# Altium PCB Copy of GameBoard_V1I1_083018.PcbDoc (part 13 of 21)
Units mil, origin at the board's own origin, x right, y up, seen from the top; angles counter-clockwise.
Board outline 7165.35 x 2763.78 mil, 12 copper layers (L1, L2, L3, L4, L5 (PWR), L6 (PWR), L7 (PWR), L8 (PWR), L9, L10, L11, L12), stack 61.575 mil thick; 1542 components, 1068 nets, 5447 pads, 3797 vias.
Unrouted connection lines stored in the file: 105.
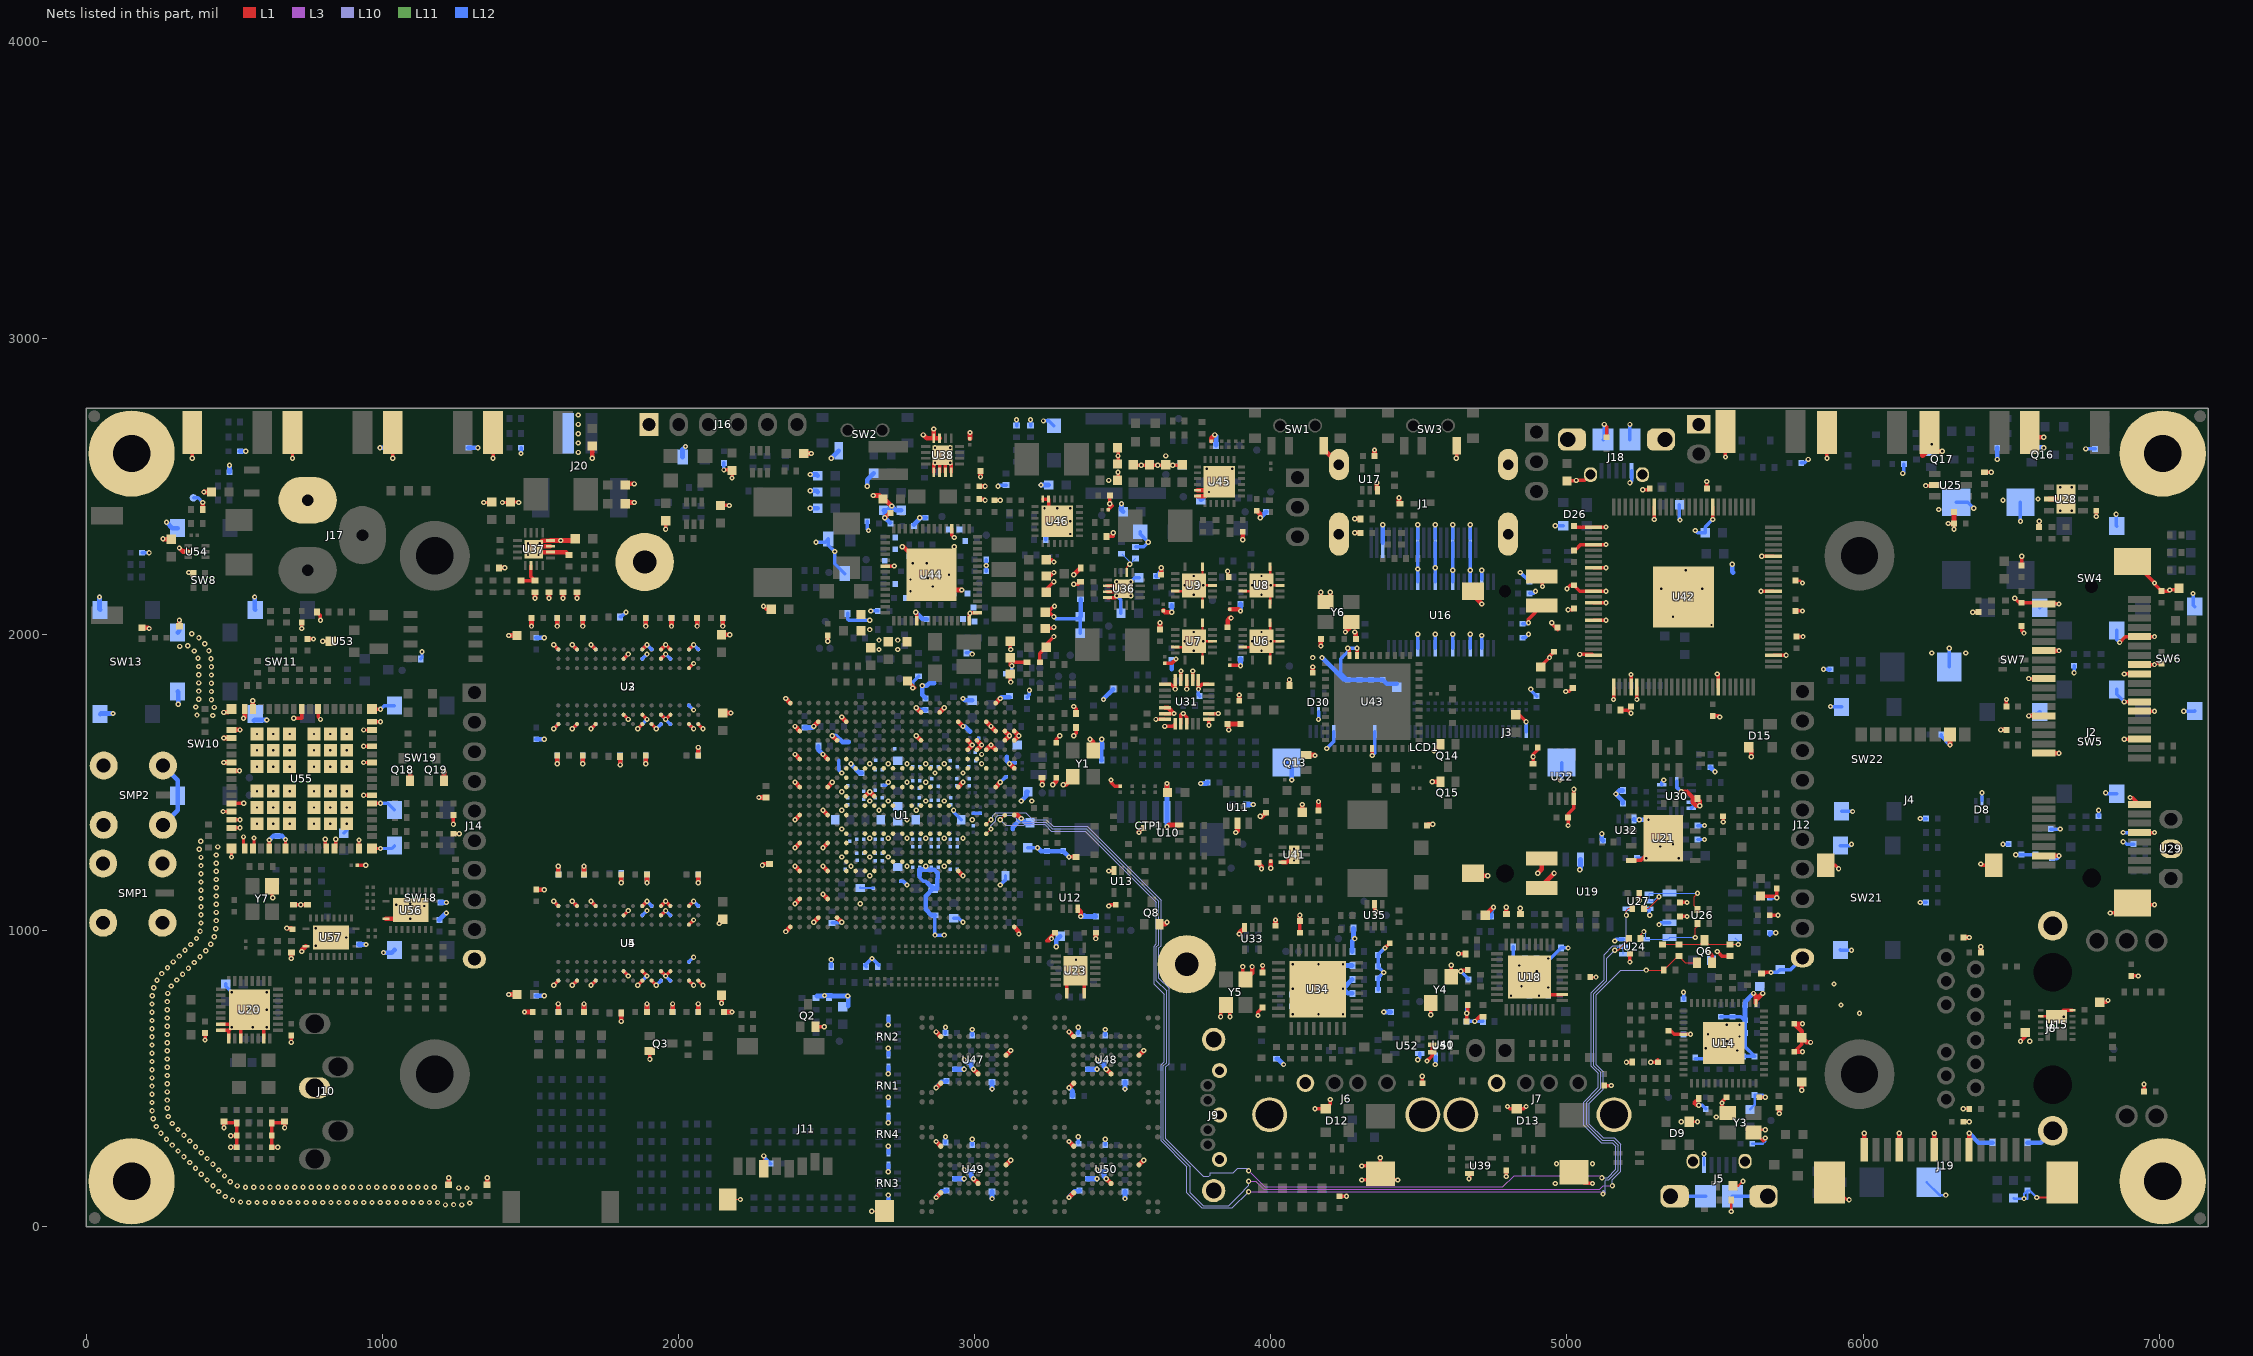
[diagram p23: the nets of this part, all layers, seen from the top]

## Via types
v1: diameter 17.72, hole 7.87, L1 to L12, 1936 vias
v2: diameter 17.72, hole 7.87, L1 to L12, tented both sides, 999 vias
v3: diameter 10.63, hole 3.94, L1 to L2, 337 vias
v4: diameter 10.63, hole 3.94, L2 to L3, 335 vias
v5: diameter 10.63, hole 3.94, L10 to L11, 96 vias
v6: diameter 10.63, hole 3.94, L11 to L12, 94 vias

## Nets (pads, with @x,y where several pads share a name; then routed paths per layer and width w, separated by ;. In a path a pad name is that pad's centre, name@x,y a point inside that pad or via, vN(x,y) a via of type N, cw(c..) or ccw(c..) an arc to the next point about the centre after c; other vN are vias at no path point) (continued)
FLEXCAN1_RX: R250.1 U1.D14 U27.4 | length 4287.8
  L1 w3.94: U1.D14@3039.37,1358.27 v2(3055.12,1374.02) ; v1(5200.79,1051.18) 5200.79,1066.93 5208.66,1074.8 R250.1@5220.47,1074.8
  L3 w3.94: v1(3925.2,188.98) 3980.32,133.86 4783.46,133.86 4821.85,172.24 5111.22,172.24 v1(5118.11,165.35)
  L10 w3.94: v2(3055.12,1374.02) 3062.01,1380.91 3062.01,1388.1 3071.54,1397.64 3173.23,1397.64 3196.85,1374.02 3242.74,1374.02 3265.38,1351.38 3379.71,1351.38 3629.92,1101.17 3629.92,948.82 3622.05,940.94 3622.05,838.58 3656.5,804.13 3656.5,550.35 3645.67,539.53 3645.67,295.95 3772.33,169.29 3790.66,169.29 3795.28,173.9 3795.28,179.97 3796.4,181.1 3873.34,181.1 3889.09,196.85 3917.32,196.85 v1(3925.2,188.98) ; v1(5118.11,165.35) 5137.8,165.35 5165.35,192.91 5165.35,271.65 5153.54,283.46 5115.52,283.46 5056.13,342.86 5056.13,420.58 5106.3,470.75 5106.3,517.1 5082.68,540.72 5082.68,789.99 5125.98,833.29 5125.98,918.52 5155.3,947.83 5184.06,947.83 5200.79,964.57 v1(5200.79,1051.18)
  L12 w3.94: v1(5200.79,1051.18) 5202.76,1053.15 U27.4@5202.76,1072.83
FLEXCAN1_RX_BUFF: R250.2 R251.1 U26.4 U27.1 U27.2 | length 364.6
  L1 w3.94: R250.2@5259.84,1074.8 5275.59,1074.8 5311.02,1110.24 v1(5311.02,1114.17) ; R251.1@5440.94,1070.87 5429.13,1082.68 5429.13,1114.17 v1(5440.94,1125.98)
  L12 w3.94: v1(5311.02,1114.17) 5307.09,1114.17 5291.34,1098.43 U27.2@5277.56,1098.43 U27.1@5277.56,1124.02 5279.72,1126.18 U26.4@5346.46,1126.18 5440.75,1126.18 v1(5440.94,1125.98)
FLEXCAN1_STBY: Q6.1 R65.1 R252.1 U1.D15 | length 4450.5
  L1 w3.94: U1.D15@3039.37,1326.77 v2(3055.12,1342.52) ; v1(5267.72,866.14) R65.1@5326.77,866.14 5374.02,913.39 R252.1@5377.95,913.39 5399.61,891.73 Q6.1@5438.98,891.73
  L3 w3.94: v1(3925.2,153.54) 3949.49,153.54 3977.05,125.98 5110.24,125.98 5122.05,137.8 v1(5153.54,137.8)
  L10 w3.94: v2(3055.12,1342.52) 3055.12,1353.14 3071.85,1369.87 3071.85,1380.13 3080.5,1388.78 3130.91,1388.78 3142.72,1376.97 3142.72,1368.9 3148.42,1363.19 3163.6,1363.19 3166.55,1366.14 3239.48,1366.14 3262.12,1343.5 3376.45,1343.5 3622.05,1097.91 3622.05,952.08 3614.17,944.21 3614.17,830.71 3648.62,796.26 3648.62,553.62 3637.8,542.79 3637.8,292.69 3728.35,202.14 3728.35,114.17 3771.65,70.87 3858.27,70.87 3910.43,123.03 3910.43,124.23 3925.2,138.99 v1(3925.2,153.54) ; v1(5153.54,137.8) 5153.54,158.83 5181.1,186.39 5181.1,278.18 5160.07,299.21 5122.05,299.21 5074.8,346.46 5074.8,416.99 5122.05,464.23 5122.05,523.62 5098.43,547.24 5098.43,783.46 5181.1,866.14 v1(5267.72,866.14)
FLEXCAN1_STBY_Q: Q6.3 R248.1 R252.2 R253.2 U26.8 | length 295.6
  L1 w3.94: R248.1@5322.83,952.76 R252.2@5377.95,952.76 5450.79,952.76 Q6.3@5464.57,966.54 5478.35,952.76 R253.2@5551.18,952.76 v1(5578.74,952.76)
  L12 w3.94: U26.8@5566.93,976.18 5578.74,964.37 v1(5578.74,952.76)
FLEXCAN1_TX: R242.1 U1.B13 U24.1 U24.2 | length 4280.1
  L1 w3.94: v2(3086.62,1374.02) U1.B13@3102.36,1389.76 ; v1(5161.42,933.07) 5173.23,933.07 R242.1@5212.6,972.44
  L3 w3.94: v1(3925.2,118.11) 5114.17,118.11 v1(5122.05,110.24)
  L10 w3.94: v2(3086.62,1374.02) 3095.75,1364.88 3095.88,1364.88 3105.44,1355.32 3166.86,1355.32 3169.81,1358.27 3236.22,1358.27 3258.86,1335.63 3373.19,1335.63 3614.17,1094.65 3614.17,955.34 3606.3,947.47 3606.3,818.9 3640.75,784.45 3640.75,556.88 3629.92,546.05 3629.92,289.43 3716.54,202.81 3716.54,114.17 3767.72,62.99 3870.08,62.99 v1(3925.2,118.11) ; v1(5122.05,110.24) 5122.05,122.05 v1@5128.94,115.16 ; v1(5161.42,933.07) 5133.86,905.51 5133.86,830.03 5090.55,786.73 5090.55,543.98 5114.17,520.36 5114.17,467.49 5066.93,420.25 5066.93,343.2 5118.79,291.34 5156.8,291.34 5173.23,274.91 5173.23,189.65 5141.06,157.48 5131.12,157.48 5128.94,155.3 v1@5128.94,115.16 ; v1@5128.94,115.16 5129.92,114.17 5128.94,113.19 v1@5128.94,115.16
  L12 w3.94: v1(5161.42,933.07) 5173.23,944.88 U24.2@5190.94,944.88 U24.1@5190.94,919.29
FLEXCAN1_TX_BUFF: R242.2 R249.1 U24.4 U26.1 | length 276.5
  L1 w3.94: R242.2@5248.71,972.44 5248.71,984.93 v1(5259.84,996.06) ; v1(5433.07,976.38) 5433.07,1006.68 5440.94,1014.55 R249.1@5440.94,1023.62
  L12 w3.94: v1(5259.84,996.06) 5265.75,990.16 U24.4@5265.75,970.47 5340.75,970.47 U26.1@5346.46,976.18 5346.65,976.38 v1(5433.07,976.38)
FS_1V375: R294.1 R297.2 U36.6 | length 106.1
  L1 w3.94: U36.6@3513.78,2209.05 3513.78,2226.38 v1(3523.62,2236.22)
  L12 w3.94: R294.1@3496.06,2271.81 3523.62,2244.25 v1(3523.62,2236.22) R297.2@3543.31,2255.91
FS_3V3_HDR: R305.1 R308.2 U37.6 | length 103.7
  L1 w11.81: R305.1@1468.5,2181.1 R308.2@1515.75,2181.1 1501.97,2194.88 U37.6@1501.97,2231.89
GND: C1.2 C2.2 C3.2 C4.2 C5.2 C6.2 C7.2 C8.2 C9.2 C11.2 C12.2 C13.2 C14.2 C15.2 C16.2 C17.2 C18.2 C19.2 C20.2 C21.2 C22.2 C23.2 C24.2 C25.2 C26.2 C27.2 C28.2 C29.2 C30.2 C31.2 C32.2 C33.2 C34.2 C35.2 C36.2 C37.2 C38.2 C39.2 C40.2 C41.2 C42.2 C43.2 C44.2 C45.2 C46.2 C47.2 C48.2 C49.2 C50.2 C51.2 C52.2 C53.2 C54.2 C55.2 C56.2 C57.2 C58.2 C59.2 C60.2 C61.2 C63.2 C64.2 C68.2 C69.2 C70.2 C71.2 C72.2 C73.2 C74.2 C75.2 C76.2 C77.2 C78.2 C79.2 C80.2 C81.2 C82.2 C83.2 C84.2 C85.2 C86.2 C87.2 C92.2 C93.2 C94.2 C95.2 C96.2 C97.2 C98.2 C99.2 C100.2 C101.2 C102.2 C103.2 C104.2 C105.2 C106.2 C107.2 C108.2 C109.2 C110.2 C111.2 C112.2 C113.2 C114.2 C115.2 C116.2 C117.2 C118.2 C119.2 C120.2 C121.2 C122.2 C123.2 C124.2 C125.2 C126.2 C127.2 C128.2 C129.2 C130.2 C131.2 C132.2 C133.2 C134.2 C135.2 C136.2 C137.2 C138.2 C139.2 C140.2 C141.2 C142.2 C143.2 C144.2 C145.2 C146.2 C147.2 C148.2 C149.2 C150.2 C151.2 C152.2 C153.2 C154.2 C155.2 C156.2 C157.2 C158.2 C159.2 C160.2 C161.2 C162.2 C163.2 C164.2 C165.2 C166.2 C167.2 C168.2 C169.2 C170.2 C171.2 C172.2 C173.2 C174.2 C175.2 C176.2 C177.2 C178.2 C179.2 C180.2 C181.2 C182.2 C183.2 C184.2 C185.2 C186.2 C187.2 C188.2 C189.2 C190.2 C191.2 C193.2 C194.2 C195.2 C196.2 C197.2 C198.2 C199.2 C200.2 C201.2 C202.2 C203.2 C204.2 C205.2 C206.2 C207.2 C208.2 C209.2 C210.2 C211.2 C212.2 C213.2 C214.2 C215.2 C216.2 C217.2 C218.2 C219.2 C220.2 C221.2 C222.2 C223.2 C224.2 C225.2 C226.2 C227.2 C228.2 C229.2 C230.2 C231.2 C232.2 C233.2 C234.2 C235.2 C236.2 C237.2 C238.2 C239.2 C240.2 C241.2 C242.2 C243.2 C244.2 C245.2 C246.2 C247.2 C248.2 C249.2 C250.2 C251.1 C252.2 C253.1 C254.2 C255.2 C256.2 C257.2 C258.2 C259.2 C260.1 C261.2 C262.1 C263.1 C264.1 C265.1 C266.2 C267.2 C268.2 C269.2 C270.2 C271.2 C274.2 C277.2 C278.2 C279.2 C280.2 C281.2 C283.2 C284.2 C285.2 C286.2 C287.1 C288.2 C289.2 C290.1 C297.2 C298.2 C299.2 C300.2 C301.2 C302.2 C303.1 C304.2 C305.1 C306.2 C307.2 C308.2 C309.2 C310.2 C311.2 C312.2 C313.2 C314.2 C315.2 C316.2 C317.2 C318.2 C319.2 C320.2 C321.2 C323.2 C324.2 C325.2 C326.2 C327.2 C328.2 C329.2 C330.1 C331.2 C332.1 C333.2 C334.2 C335.2 C336.2 C337.2 C338.2 C339.2 C340.2 C343.2 C344.2 C345.2 C346.2 C347.2 C350.2 C351.2 C352.2 C353.2 C354.2 C355.2 C356.1 C357.2 C358.1 C359.2 C360.2 C361.2 C362.2 C363.2 C364.2 C365.2 C366.2 C367.2 C368.2 C369.2 C370.2 C371.2 C372.2 C373.2 C374.2 C375.2 C376.2 C377.2 C378.2 C379.2 C380.2 C381.2 C382.2 C383.2 C384.2 C385.2 C386.2 C387.2 C388.2 C389.2 C390.2 C391.2 C392.2 C393.1 C394.1 C395.2 C396.2 C397.2 C398.2 C399.2 C400.2 C401.2 C402.2 C403.2 C404.2 C405.2 C406.2 C407.2 C408.2 C409.2 C410.2 C411.2 C412.2 C413.2 C414.2 C415.2 C416.2 C417.2 C418.2 C419.2 C420.2 C421.2 C422.2 C423.2 C424.2 C425.2 C427.2 C428.2 C429.2 C430.2 C431.2 C432.2 C433.2 C434.2 C435.2 C436.2 C437.2 C438.2 C439.2 C440.2 C441.2 C442.2 C443.2 C444.2 C445.2 C446.2 C447.2 C448.2 C449.2 C450.2 C451.2 C452.2 C453.2 C454.2 C455.2 C456.2 C457.2 C458.2 C459.2 C460.2 C461.2 C462.2 C463.2 C464.2 C465.2 C466.2 C467.2 C468.2 C469.2 C470.2 C471.2 C472.2 C473.2 C474.2 C475.2 C476.2 C477.2 C478.2 C479.2 C481.2 C482.2 C483.2 C484.2 C485.2 C486.2 C487.2 C488.2 C489.2 C490.2 C491.2 C493.2 C494.2 C495.2 C496.2 C497.2 C498.2 C499.2 C500.2 C501.2 C502.2 C503.1 C504.2 C505.2 C506.2 C507.2 C508.1 C509.2 C510.2 C511.2 C512.2 C513.1 C514.2 C515.2 C516.2 C517.2 C518.1 C519.1 C520.1 C521.1 C522.1 C523.2 C524.2 C525.1 C527.1 C528.1 C529.1 C530.2 C531.1 C532.2 CTP1.2 D8.2 D9.3 D10.2 D11.1 D12.3 D13.3 D15.3 D16.2 D17.2 D20.2 D21.2 D26.3 D30.2 D48.2 D52.2 J1.2 J1.5 J1.8 J1.11 J1.17 J1.MTG1 J1.MTG2 J1.MTG3 J1.MTG4 J2.4 J2.9 J2.15 J2.18 J2.21 J2.26 J2.27 J2.29 J2.34 J2.35 J2.37 J2.40 J2.43 J2.50 J2.53 J2.54 J3.1 J3.2 J3.3 J3.4 J3.5 J3.6 J4.C5 J4.G1 J4.G2 J5.5 J5.6 J5.7 J5.8 J5.9 J5.10 J5.11 J6.4 J6.5 J6.6 J7.4 J7.5 J7.6 J8.18 J8.19 J9.1 J9.4 J9.7 J9.8 J9.9 J10.5 J11.6 J11.11 J11.12 J12.10 J14.10 J16.1 J17.2 J18.5 J18.6 J18.7 J18.8 J18.9 J18.10 J18.11 J19.1 J19.4 J19.7 J19.10 J19.16 J19.17 J20.2 JP3.1 L20.2 L21.2 L22.2 L23.2 LCD1.3 LCD1.29 LCD1.36 LCD1.41 LCD1.42 MH1.1 MH2.1 MH3.1 MH4.1 MH5.1 MH6.1 Q2.2 Q3.2 Q6.2 Q8.2 Q13.2 Q14.2 Q15.2 Q16.2 Q17.2 Q18.2 Q19.2 R1.1 R2.1 R3.1 R4.1 R5.2 R6.1 R7.1 R11.1 R15.1 R16.1 R17.1 R19.1 R26.1 R28.1 R29.1 R30.1 R31.1 R33.1 R35.1 R36.1 R41.1 R73.1 R74.1 R75.1 R76.1 R79.2 R84.1 R85.1 R86.1 R95.1 R101.1 R103.1 R125.2 R138.1 R139.1 R140.1 R142.2 R145.1 R176.1 R185.2 R191.1 R192.1 R193.2 R194.1 R195.1 R201.2 R202.1 R203.1 R204.1 R205.1 R208.1 R215.2 R228.1 R245.1 R253.1 R262.2 R265.1 R267.2 R283.1 R290.1 R291.1 R292.1 R293.1 R297.1 R298.1 R300.1 R302.1 R303.1 R304.1 R308.1 R309.1 R311.1 R314.1 R315.1 R316.1 R324.1 R326.1 R328.1 R345.1 R351.1 R373.1 R438.1 R440.1 R458.1 R459.1 R470.1 R479.1 R483.1 R484.1 R485.1 R492.1 R496.1 R498.1 R499.1 R501.1 R503.1 R505.1 R506.1 R510.1 R511.1 R549.1 R550.1 R552.1 RN1.1 RN1.6 RN2.1 RN2.6 RN3.1 RN3.6 RN4.1 RN4.6 SMP1.2 SMP1.3 SMP1.4 SMP1.5 SMP2.2 SMP2.3 SMP2.4 SMP2.5 SW1.1 SW2.1 SW3.1 SW4.1 SW4.2 SW5.1 SW5.2 SW6.1 SW6.2 SW7.1 SW7.2 SW8.1 SW8.2 SW9.1 SW10.1 SW10.2 SW11.1 SW11.2 SW12.1 SW13.1 SW13.2 SW14.1 SW15.1 SW16.1 SW17.1 SW18.1 SW18.2 SW19.1 SW19.2 SW20.1 SW21.1 SW21.2 SW22.1 SW22.2 SW23.1 TP26.1 U1.A4 U1.A5 U1.A8 U1.A13 U1.A25 U1.AA7 U1.AA10 U1.AA13 U1.AA16 U1.AA19 U1.AA22 U1.AB3 U1.AB24 U1.AD4 U1.AD7 U1.AD10 U1.AD13 U1.AD16 U1.AD19 U1.AD22 U1.AE1 U1.AE25 U1.B4 U1.B5 U1.C1 U1.C4 U1.C6 U1.C10 U1.D3 U1.D6 U1.D8 U1.E5 U1.E6 U1.E7 U1.F5 U1.F6 U1.F7 U1.F8 U1.G3 U1.G10 U1.G19 U1.H8 U1.H12 U1.H15 U1.H18 U1.J2 U1.J8 U1.J12 U1.J15 U1.J18 U1.K8 U1.K10 U1.K12 U1.K15 U1.K18 U1.L2 U1.L5 U1.L8 U1.L10 U1.L12 U1.L15 U1.L18 U1.M8 U1.M10 U1.M12 U1.M15 U1.M18 U1.N8 U1.N10 U1.N15 U1.N18 U1.P8 U1.P10 U1.P12 U1.P15 U1.P18 U1.R8 U1.R12 U1.R15 U1.R17 U1.T8 U1.T11 U1.T12 U1.T15 U1.T17 U1.T19 U1.U8 U1.U11 U1.U12 U1.U15 U1.U17 U1.U19 U1.V8 U1.V19 U1.W3 U1.W7 U1.W8 U1.W9 U1.W10 U1.W11 U1.W12 U1.W13 U1.W15 U1.W16 U1.W17 U1.W18 U1.W19 U1.Y5 U1.Y24 U2.A9 U2.B1 U2.B3 U2.B9 U2.D1 U2.D8 U2.E1 U2.E2 U2.E8 U2.F9 U2.G1 U2.G8 U2.G9 U2.J2 U2.J8 U2.M1 U2.M9 U2.P1 U2.P9 U2.T1 U2.T9 U3.A9 U3.B1 U3.B3 U3.B9 U3.D1 U3.D8 U3.E1 U3.E2 U3.E8 U3.F9 U3.G1 U3.G8 U3.G9 U3.J2 U3.J8 U3.M1 U3.M9 U3.P1 U3.P9 U3.T1 U3.T9 U4.A9 U4.B1 U4.B3 U4.B9 U4.D1 U4.D8 U4.E1 U4.E2 U4.E8 U4.F9 U4.G1 U4.G8 U4.G9 U4.J2 U4.J8 U4.M1 U4.M9 U4.P1 U4.P9 U4.T1 U4.T9 U5.A9 U5.B1 U5.B3 U5.B9 U5.D1 U5.D8 U5.E1 U5.E2 U5.E8 U5.F9 U5.G1 U5.G8 U5.G9 U5.J2 U5.J8 U5.M1 U5.M9 U5.P1 U5.P9 U5.T1 U5.T9 U6.5 U6.8 U6.11 U6.14 U6.15 U7.5 U7.8 U7.11 U7.14 U7.15 U8.5 U8.8 U8.11 U8.14 U8.15 U9.5 U9.8 U9.11 U9.14 U9.15 U10.3 U11.2 U12.3 U13.3 U14.13 U14.29 U14.49 U15.2 U15.12 U15.13 U16.3 U16.5 U16.8 U16.11 U16.14 U16.25 U16.28 U16.31 U16.34 U16.36 U17.3 U18.11 U18.37 U19.6 U20.1 U20.3 U20.7 U20.31 U20.32 U20.33 U21.4 U21.9 U22.4 U23.8 U23.9 U23.17 U24.3 U25.2 U26.2 U27.3 U28.2 U28.7 U29.2 U30.5 U30.7 U30.12 U30.13 U31.1 U31.5 U31.6 U31.7 U31.8 U31.9 U31.10 U31.13 U31.14 U31.19 U31.20 U31.21 U31.22 U31.23 U31.24 U32.3 U33.3 U34.33 U35.2 U36.10 U36.11 U36.12 U36.17 U37.10 U37.11 U37.12 U37.17 U38.5 U38.6 U38.7 U38.8 U38.15 U38.16 U38.17 U39.3 U40.2 U40.3 U41.3 U41.7 U42.1 U42.4 U42.5 U42.19 U42.28 U42.39 U42.45 U42.58 U42.68 U42.76 U42.79 U42.83 U42.87 U42.89 U42.92 U42.98 U42.101 U43.6 U43.30 U43.31 U44.5 U44.14 U44.15 U44.32 U44.48 U44.57 U45.17 U45.18 U45.25 U46.17 U46.18 U46.25 U47.C5 U47.F7 U47.K3 U47.K8 U48.C5 U48.F7 U48.K3 U48.K8 U49.C5 U49.F7 U49.K3 U49.K8 U50.C5 U50.F7 U50.K3 U50.K8 U51.3 U52.3 U53.3 U54.2 U55.1 U55.7 U55.9 U55.15 U55.16 U55.17 U55.19 U55.20 U55.23 U55.24 U55.28 U55.29 U55.30 U55.31 U55.33 U55.34 U55.35 U55.37 U55.39 U55.44 U55.45 U55.48 U55.49 U55.54 U55.55 U55.59 U55.61 U55.63 U55.64 U55.G1 U55.G2 U55.G3 U55.G4 U55.G5 U55.G6 U55.G7 U55.G8 U55.G9 U55.G10 U55.G11 U55.G12 U55.G13 U55.G14 U55.G15 U55.G16 U55.G17 U55.G18 U55.G19 U55.G20 U55.G21 U55.G22 U55.G23 U55.G24 U55.G25 U55.G26 U55.G27 U55.G28 U55.G29 U55.G30 U55.G31 U55.G32 U55.G33 U55.G34 U55.G35 U55.G36 U56.11 U56.21 U57.11 U57.21 Y1.2 Y1.4 Y3.2 Y3.4 Y4.2 Y4.4 Y5.2 Y5.4 Y6.2 Y6.4 Y7.2 | length 36213.9
  L1 w3.66: J11.11@2166.34,91.54 v2(2209.25,91.54) ; J11.6@2287.99,195.87 v2(2287.99,238.78) ; v2(2652.95,52.17) J11.12@2695.87,52.17
  L1 w7.87: U7.5@3677.17,1956.69 3720.47,1956.69 U7.15@3740.16,1976.38 ; U9.5@3677.17,2145.67 3720.47,2145.67 U9.15@3740.16,2165.35 ; U7.8@3769.69,1913.39 3769.69,1946.85 U7.15@3740.16,1976.38 ; U7.14@3769.69,2039.37 3769.69,2005.91 U7.15@3740.16,1976.38 ; U9.8@3769.69,2102.36 3769.69,2135.83 U9.15@3740.16,2165.35 ; U9.14@3769.69,2228.35 3769.69,2194.88 U9.15@3740.16,2165.35 ; U7.11@3803.15,1976.38 v2(3771.65,1976.38) U7.15@3740.16,1976.38 ; U9.11@3803.15,2165.35 v2(3771.65,2165.35) U9.15@3740.16,2165.35 ; U6.5@3905.51,1956.69 3948.82,1956.69 U6.15@3968.5,1976.38 ; U8.5@3905.51,2145.67 3948.82,2145.67 U8.15@3968.5,2165.35 ; U6.8@3998.03,1913.39 3998.03,1946.85 U6.15@3968.5,1976.38 ; U6.14@3998.03,2039.37 3998.03,2005.91 U6.15@3968.5,1976.38 ; U8.8@3998.03,2102.36 3998.03,2135.83 U8.15@3968.5,2165.35 ; U8.14@3998.03,2228.35 3998.03,2194.88 U8.15@3968.5,2165.35 ; U6.11@4031.5,1976.38 v2(4000,1976.38) U6.15@3968.5,1976.38 ; U8.11@4031.5,2165.35 v2(4000,2165.35) U8.15@3968.5,2165.35 ; C255.2@5078.74,842.52 v1(5098.43,842.52) ; D9.3@5413.39,354.33 v1(5440.94,354.33) ; v1(5555.12,51.18) R176.1@5555.12,90.55 ; D10.2@5561.02,137.8 5578.74,137.8 v1(5594.49,153.54) ; v1(5669.29,299.21) 5669.29,293.31 5663.39,287.4 5629.92,320.87 5635.83,326.77 v1(5669.29,326.77) ; C372.2@5771.65,2181.1 5787.4,2181.1 v1(5795.28,2173.23) ; J19.16@5886.22,149.61 5945.28,90.55 v1(5952.76,90.55) ; C265.1@6338.58,354.33 v1(6358.27,354.33) ; v1(6338.58,397.64) C264.1@6358.27,397.64 ; v1(6586.61,98.43) 6621.65,98.43 J19.17@6672.84,149.61 ; U15.2@6600,710.63 6651.52,710.63 U15.13@6653.54,708.6
  L1 w11.02: v1(462.6,1401.57) U55.29@491.14,1401.57 ; v1(491.14,1248.03) U55.33@491.14,1276.57 ; U55.31@491.14,1346.46 v1(519.69,1346.46) ; U55.30@491.14,1374.02 v1(519.69,1374.02) ; U55.28@503.94,1429.13 v1(532.48,1429.13) ; U55.34@531.5,1287.4 v1(531.5,1315.94) ; U55.35@566.93,1283.46 v1(566.93,1312.01) ; U55.37@618.11,1276.57 v1(618.11,1305.12) ; Y7.2@627.95,1149.61 627.95,1112.2 v1(629.92,1110.24) ; U55.39@673.23,1276.57 v1(673.23,1307.09) ; v1(700.79,1716.54) 728.35,1716.54 U55.9@728.35,1747.05 ; U55.7@783.46,1747.05 783.46,1720.47 v1(791.34,1712.6) ; U55.44@807.09,1279.53 v1(807.09,1308.07) ; U55.45@842.52,1279.53 v1(842.52,1308.07) ; C522.1@915.94,1220.47 v1(944.49,1220.47) ; U55.48@921.26,1276.57 v1(921.26,1305.12) ; v1(937.01,1456.69) U55.55@965.55,1456.69 ; v1(937.01,1566.93) U55.59@965.55,1566.93 ; v1(937.01,1622.05) U55.61@965.55,1622.05 ; v1(937.01,1677.17) U55.63@965.55,1677.17 ; U55.49@965.55,1276.57 v1(994.09,1276.57) ; U55.54@965.55,1429.13 v1(994.09,1429.13) ; U55.64@965.55,1704.72 v1(994.09,1704.72) ; U55.1@965.55,1747.05 v1(994.09,1747.05) ; v1(1342.52,2444.88) 1368.11,2444.88 C344.2@1370.08,2446.85 ; v1(1405.51,2444.88) 1431.1,2444.88 C343.2@1433.07,2446.85 1458.66,2446.85 v1(1460.63,2444.88) ; U23.8@3311.02,787.4 U23.17@3311.02,818.9 ; U23.9@3370.08,787.4 U23.17@3370.08,826.77 ; 3668.31,1688.98 U31.8@3677.17,1697.83